# Altium PCB foxbms2-master.PcbDoc (part 3 of 11) (continued)
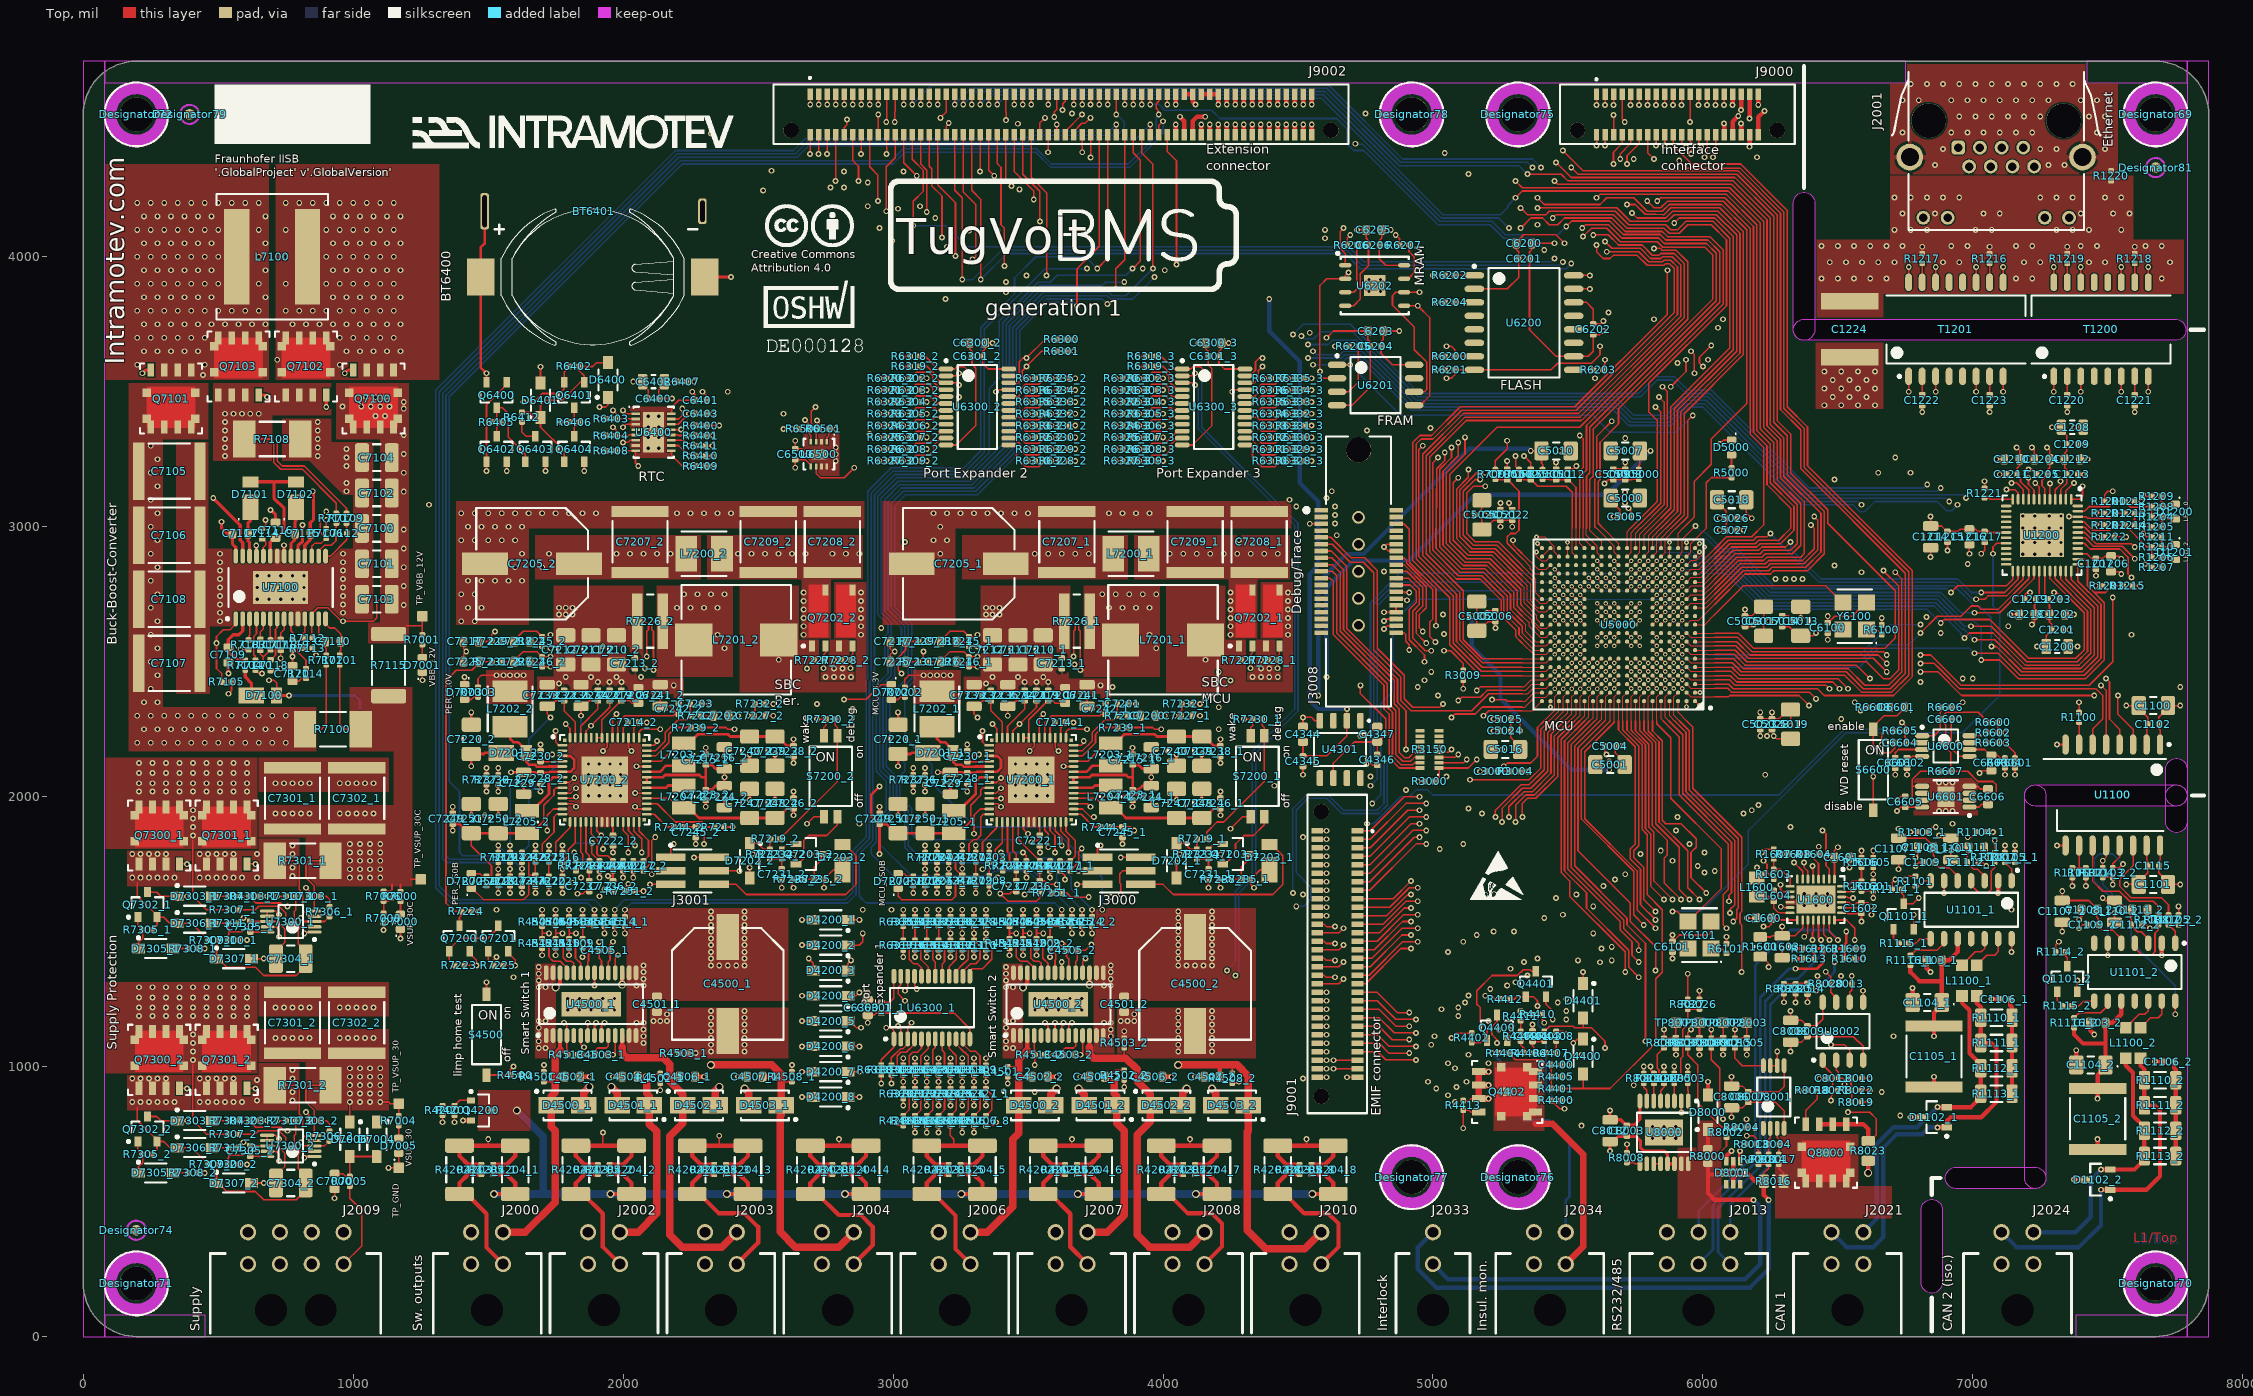
[diagram p0: Top view]
## Footprints (in the part's own frame and the unit in brackets; to place one, negate y for a bottom-side part, rotate by r counter-clockwise, add the part's x,y. Pads: shape width x height; smd on the part's side, far side on the other; paste and mask are expansions set on the pad) (continued)
  rect 2x3.8 smd paste-1: 17(0,0)
  silkscreen extent -2.35,-2.4 1.9,2.45, body extent -1.8,-2.25 1.8,2.25, height 1.5
ONSEMI_SC-88_SOT-363 [mm] "SOT23, 6-Leads, Body 2,00x2,10mm, Pitch 0,65mm, IPC Medium Density"
  rect 0.8x0.4 smd: 1(-1.075,0.65) 2(-1.075,0) 3(-1.075,-0.65) 4(1.075,-0.65) 5(1.075,0) 6(1.075,0.65)
  silkscreen extent -1.2,-1.1 0.3,1.53, body extent -1.1,-1.1 1.1,1.1, height 1.1
PA4342.XXXNLT_Footprint_2 [mm] "Precision Wire Wound Inductor, 2-Leads, Body 10,15x10,15mm, IPC Medium Density"
  rect 3.5x3.1 smd: 1(-4,0) 2(4,0)
  silkscreen extent -5.15,-5.15 5.15,5.15, body extent -5.18,-5.07 5.18,5.07, height 4.1
PANASONIC_ERJ-B1 [mm] "Chip Resistor, 2-Leads, Body 2,50x5,00mm, IPC Medium Density"
  rect 1x5.2 smd: 1(-1.2,0) 2(1.2,0)
  silkscreen extent -0.3,-2.5 0.3,2.5, body extent -1.35,-2.6 1.35,2.6, height 0.75
PANASONIC_ERJMS4H [mm] "Chip Resistor, 2-Leads, Body 6,40x3,20mm, IPC Medium Density"
  rect 2.1x3.45 smd: 1(-2.625,0) 2(2.625,0)
  silkscreen extent -1.2,-1.63 1.2,1.63, body extent -3.32,-1.73 3.32,1.73, height 1.35
PANASONIC_EXB2HV [mm] "Chip Array, ConvexE, 16-Leads, Pitch 0,50mm,  Body 3,80x1,60mm,  IPC Medium Density"
  rect 0.85x0.35 smd: 1(-0.9,1.75) 2(-0.9,1.25) 3(-0.9,0.75) 4(-0.9,0.25) 5(-0.9,-0.25) 6(-0.9,-0.75) 7(-0.9,-1.25) 8(-0.9,-1.75) 9(0.9,-1.75) 10(0.9,-1.25) 11(0.9,-0.75) 12(0.9,-0.25) 13(0.9,0.25) 14(0.9,0.75) 15(0.9,1.25) 16(0.9,1.75)
  silkscreen extent -0.84,2.33 -0.74,2.43, body extent -0.9,-1.95 0.9,1.95, height 0.55
PCA9539PW [mm] "TSOP, 24-Leads, Body 7,80x4,40mm, Pitch 0,65mm, IPC Medium Density"
  oval 1.4x0.45 smd: 1(-2.95,3.575) 2(-2.95,2.925) 3(-2.95,2.275) 4(-2.95,1.625) 5(-2.95,0.975) 6(-2.95,0.325) 7(-2.95,-0.325) 8(-2.95,-0.975) 9(-2.95,-1.625) 10(-2.95,-2.275) 11(-2.95,-2.925) 12(-2.95,-3.575) 13(2.95,-3.575) 14(2.95,-2.925) 15(2.95,-2.275) 16(2.95,-1.625) 17(2.95,-0.975) 18(2.95,-0.325) 19(2.95,0.325) 20(2.95,0.975) 21(2.95,1.625) 22(2.95,2.275) 23(2.95,2.925) 24(2.95,3.575)
  silkscreen extent -3.07,-3.95 1.85,4.47, body extent -3.2,-3.95 3.2,3.95, height 1.1
PowerDI123 [mm] "PowerDI123, 2-Leads, Body 1,78x3,70mm, IPC Medium Density"
  rect 2.4x1.5 smd: 1(-0.85,0)
  rect 1.05x1.5 smd: 2(1.525,0)
  silkscreen extent -2.05,1.05 -1.95,1.15, body extent -1.85,-0.96 1.85,0.96, height 1
RESC1005X04N [mm] "Chip Resistor, 2-Leads, Body 1,00x0,50mm, IPC Medium Density"
  rrect50% 0.55x0.55 smd: 1(-0.45,0) 2(0.45,0)
  body extent -0.53,-0.27 0.52,0.28, height 0.4
RESC1608X05N [mm] "Chip Resistor, 2-Leads, Body 1,60x0,80mm, IPC Medium Density"
  rrect50% 0.7x0.9 smd: 1(-0.7,0) 2(0.7,0)
  body extent -0.85,-0.45 0.85,0.45, height 0.45
RESC2012X05N [mm] "Chip Resistor, 2-Leads, Body 2,00x1,20mm, IPC Medium Density"
  rrect40% 0.95x1.3 smd: 1(-0.925,0) 2(0.925,0)
  silkscreen extent -0.05,-0.55 0.05,0.55, body extent -1.05,-0.65 1.05,0.65, height 0.5
RESC3216X06N [mm] "Chip Resistor, 2-Leads, Body 3,20x1,60mm, IPC Medium Density"
  rrect30% 1.05x1.75 smd: 1(-1.475,0) 2(1.475,0)
  silkscreen extent -0.55,-0.77 0.55,0.77, body extent -1.65,-0.87 1.65,0.87, height 0.6
RESC5025X07N [mm] "Chip Resistor, 2-Leads, Body 5,00x2,50mm, IPC Medium Density"
  rrect30% 1.35x2.7 smd: 1(-2.275,0) 2(2.275,0)
  silkscreen extent -1.2,-1.25 1.2,1.25, body extent -2.6,-1.35 2.6,1.35, height 0.7
RESC6331X07N [mm] "Chip Resistor, 2-Leads, Body 6,30x3,10mm, IPC Medium Density"
  rrect30% 1.35x3.3 smd: 1(-2.925,0) 2(2.925,0)
  silkscreen extent -1.85,-1.55 1.85,1.55, body extent -3.25,-1.65 3.25,1.65, height 0.7
S25FL512S-SO3016 [mm] "SOIC, 16-Leads, Body 10,30x7,50mm, Pitch 1,27mm, IPC Medium Density"
  oval 1.85x0.6 smd: 1(-4.675,4.445) 2(-4.675,3.175) 3(-4.675,1.905) 4(-4.675,0.635) 5(-4.675,-0.635) 6(-4.675,-1.905) 7(-4.675,-3.175) 8(-4.675,-4.445) 9(4.675,-4.445) 10(4.675,-3.175) 11(4.675,-1.905) 12(4.675,-0.635) 13(4.675,0.635) 14(4.675,1.905) 15(4.675,3.175) 16(4.675,4.445)
  silkscreen extent -4.8,-5.15 3.35,5.42, body extent -5.15,-5.15 5.15,5.15, height 2.65
SAMTEC_ERM8-020-09.0-L-DV-K [mm] "0.80 Samtec 0.8mm Edge Rate Robust Highspeed-Terminal"
  rect 0.5x1.1 smd: 1(-7.6,1.9) 2(-7.6,-1.9) 3(-6.8,1.9) 4(-6.8,-1.9) 5(-6,1.9) 6(-6,-1.9) 7(-5.2,1.9) 8(-5.2,-1.9) 9(-4.4,1.9) 10(-4.4,-1.9) 11(-3.6,1.9) 12(-3.6,-1.9) 13(-2.8,1.9) 14(-2.8,-1.9) 15(-2,1.9) 16(-2,-1.9) 17(-1.2,1.9) 18(-1.2,-1.9) 19(-0.4,1.9) 20(-0.4,-1.9) 21(0.4,1.9) 22(0.4,-1.9) 23(1.2,1.9) 24(1.2,-1.9) 25(2,1.9) 26(2,-1.9) 27(2.8,1.9) 28(2.8,-1.9) 29(3.6,1.9) 30(3.6,-1.9) 31(4.4,1.9) 32(4.4,-1.9) 33(5.2,1.9) 34(5.2,-1.9) 35(6,1.9) 36(6,-1.9) 37(6.8,1.9) 38(6.8,-1.9) 39(7.6,1.9) 40(7.6,-1.9)
  round 1.45 hole 1.45 unplated: ""(-9.4,-1.5) ""(9.4,-1.5)
  silkscreen extent -11.05,-2.8 11.05,3.4, body extent -11,-2.8 11,2.8, height 12.9
SAMTEC_ERM8-030-09.0-L-DV-K [mm] "Samtec 0.8mm Edge Rate Robust Highspeed-Terminal"
  rect 0.5x1.1 smd: 1(-11.6,1.9) 2(-11.6,-1.9) 3(-10.8,1.9) 4(-10.8,-1.9) 5(-10,1.9) 6(-10,-1.9) 7(-9.2,1.9) 8(-9.2,-1.9) 9(-8.4,1.9) 10(-8.4,-1.9) 11(-7.6,1.9) 12(-7.6,-1.9) 13(-6.8,1.9) 14(-6.8,-1.9) 15(-6,1.9) 16(-6,-1.9) 17(-5.2,1.9) 18(-5.2,-1.9) 19(-4.4,1.9) 20(-4.4,-1.9) 21(-3.6,1.9) 22(-3.6,-1.9) 23(-2.8,1.9) 24(-2.8,-1.9) 25(-2,1.9) 26(-2,-1.9) 27(-1.2,1.9) 28(-1.2,-1.9) 29(-0.4,1.9) 30(-0.4,-1.9) 31(0.4,1.9) 32(0.4,-1.9) 33(1.2,1.9) 34(1.2,-1.9) 35(2,1.9) 36(2,-1.9) 37(2.8,1.9) 38(2.8,-1.9) 39(3.6,1.9) 40(3.6,-1.9) 41(4.4,1.9) 42(4.4,-1.9) 43(5.2,1.9) 44(5.2,-1.9) 45(6,1.9) 46(6,-1.9) 47(6.8,1.9) 48(6.8,-1.9) 49(7.6,1.9) 50(7.6,-1.9) 51(8.4,1.9) 52(8.4,-1.9) 53(9.2,1.9) 54(9.2,-1.9) 55(10,1.9) 56(10,-1.9) 57(10.8,1.9) 58(10.8,-1.9) 59(11.6,1.9) 60(11.6,-1.9)
  round 1.45 hole 1.45 unplated: ""(-13.4,-1.5) ""(13.4,-1.5)
  silkscreen extent -14.99,-2.8 14.99,3.4, body extent -15,-2.8 15,2.8, height 12.9
SAMTEC_ERM8-060-09.0-L-DV-K [mm] "Samtec 0.8mm Edge Rate Robust Highspeed-Terminal"
  rect 0.5x1.1 smd: 1(-23.6,1.9) 2(-23.6,-1.9) 3(-22.8,1.9) 4(-22.8,-1.9) 5(-22,1.9) 6(-22,-1.9) 7(-21.2,1.9) 8(-21.2,-1.9) 9(-20.4,1.9) 10(-20.4,-1.9) 11(-19.6,1.9) 12(-19.6,-1.9) 13(-18.8,1.9) 14(-18.8,-1.9) 15(-18,1.9) 16(-18,-1.9) 17(-17.2,1.9) 18(-17.2,-1.9) 19(-16.4,1.9) 20(-16.4,-1.9) 21(-15.6,1.9) 22(-15.6,-1.9) 23(-14.8,1.9) 24(-14.8,-1.9) 25(-14,1.9) 26(-14,-1.9) 27(-13.2,1.9) 28(-13.2,-1.9) 29(-12.4,1.9) 30(-12.4,-1.9) 31(-11.6,1.9) 32(-11.6,-1.9) 33(-10.8,1.9) 34(-10.8,-1.9) 35(-10,1.9) 36(-10,-1.9) 37(-9.2,1.9) 38(-9.2,-1.9) 39(-8.4,1.9) 40(-8.4,-1.9) 41(-7.6,1.9) 42(-7.6,-1.9) 43(-6.8,1.9) 44(-6.8,-1.9) 45(-6,1.9) 46(-6,-1.9) 47(-5.2,1.9) 48(-5.2,-1.9) 49(-4.4,1.9) 50(-4.4,-1.9) 51(-3.6,1.9) 52(-3.6,-1.9) 53(-2.8,1.9) 54(-2.8,-1.9) 55(-2,1.9) 56(-2,-1.9) 57(-1.2,1.9) 58(-1.2,-1.9) 59(-0.4,1.9) 60(-0.4,-1.9) 61(0.4,1.9) 62(0.4,-1.9) 63(1.2,1.9) 64(1.2,-1.9) 65(2,1.9) 66(2,-1.9) 67(2.8,1.9) 68(2.8,-1.9) 69(3.6,1.9) 70(3.6,-1.9) 71(4.4,1.9) 72(4.4,-1.9) 73(5.2,1.9) 74(5.2,-1.9) 75(6,1.9) 76(6,-1.9) 77(6.8,1.9) 78(6.8,-1.9) 79(7.6,1.9) 80(7.6,-1.9) 81(8.4,1.9) 82(8.4,-1.9) 83(9.2,1.9) 84(9.2,-1.9) 85(10,1.9) 86(10,-1.9) 87(10.8,1.9) 88(10.8,-1.9) 89(11.6,1.9) 90(11.6,-1.9) 91(12.4,1.9) 92(12.4,-1.9) 93(13.2,1.9) 94(13.2,-1.9) 95(14,1.9) 96(14,-1.9) 97(14.8,1.9) 98(14.8,-1.9) 99(15.6,1.9) 100(15.6,-1.9) 101(16.4,1.9) 102(16.4,-1.9) 103(17.2,1.9) 104(17.2,-1.9) 105(18,1.9) 106(18,-1.9) 107(18.8,1.9) 108(18.8,-1.9) 109(19.6,1.9) 110(19.6,-1.9) 111(20.4,1.9) 112(20.4,-1.9) 113(21.2,1.9) 114(21.2,-1.9) 115(22,1.9) 116(22,-1.9) 117(22.8,1.9) 118(22.8,-1.9) 119(23.6,1.9) 120(23.6,-1.9)
  round 1.45 hole 1.45 unplated: ""(-25.4,-1.5) ""(25.4,-1.5)
  silkscreen extent -27.05,-2.8 27.05,3.53, body extent -27,-2.8 27,2.8, height 12.9
SAMTEC_FTSH-103-01-L-DV [mm] "Samtec FTSH Board-To-Board Connector, 6pin, 1.27mm"
  rect 2.8x0.7 smd: 1(-2.035,1.27) 2(2.035,1.27) 3(-2.035,0) 4(2.035,0) 5(-2.035,-1.27) 6(2.035,-1.27)
  silkscreen extent -2.16,-2.03 1.78,2.54, body extent -2.92,-1.9 2.92,1.91, height 5.98
SHT3X [mm] "SON, 8-Leads, Body 2,50x2,50mm, Pitch 0,50mm, Thermal Pad 1,80x1,09mm, IPC Medium Density"
  rect 0.55x0.25 smd: 1(-1.17,0.75) 2(-1.17,0.25) 3(-1.17,-0.25) 4(-1.17,-0.75) 5(1.17,-0.75) 6(1.17,-0.25) 7(1.17,0.25) 8(1.17,0.75)
  oct 1x1.7 smd: 9(0,0)
  Top region: 0,-0.85 0.5,-0.85 0.5,0.85 0,0.85
  Top region: -0.5,-0.85 0,-0.85 0,0 -0.5,0
  silkscreen extent -1.9,-1.45 1.45,1.5, body extent -1.25,-1.25 1.25,1.25, height 0.9
SiT8924xx-3x [mm] "DFN, 4-Leads, Body 3,20x5,00mm, Pitch 2,39mm, IPC Medium Density"
  rect 1.5x1.6 smd: 1(-1.27,-1.1) 2(1.27,-1.1) 3(1.27,1.1) 4(-1.27,1.1)
  silkscreen extent -2.57,-2.07 2.53,1.63, body extent -2.52,-1.63 2.53,1.63, height 0.75
SM91074ALE [mm] "SOIC, 16-Leads, Body 12,80x6,90mm, Pitch 1,27mm, IPC Medium Density"
  oval 1.65x0.65 smd: 1(-4.425,4.445) 2(-4.425,3.175) 3(-4.425,1.905) 4(-4.425,0.635) 5(-4.425,-0.635) 6(-4.425,-1.905) 7(-4.425,-3.175) 8(-4.425,-4.445) 9(4.425,-4.445) 10(4.425,-3.175) 11(4.425,-1.905) 12(4.425,-0.635) 13(4.425,0.635) 14(4.425,1.905) 15(4.425,3.175) 16(4.425,4.445)
  silkscreen extent -4.55,-6.55 3.2,6.55, body extent -4.75,-6.55 4.75,6.55, height 5.9
SMTU_1225-1-LF [mil] "Renata SMTU 1225-1-LF"
  rect 102.36x137.8 smd: +(-415.35,0) -(415.35,0)
  silkscreen extent -362,-252 386,252, body extent -453,-252 453,252, height 189
SOD-123_CASE-425-04-ISSUE-G [mm] "SOD-123 CASE 425-04 ISSUE G"
  rect 1.22x0.91 smd: 1(-1.635,0) 2(1.635,0)
  silkscreen extent -1.76,-0.9 1,1.13, body extent -1.86,-0.9 1.86,0.9, height 1.35
SOIC127P600X175-8N [mm] "SOIC, 8-Leads, Body 4,90x3,90mm, Pitch 1,27mm, IPC Medium Density"
  rrect50% 1.5x0.6 smd: 1(-2.7,1.905) 2(-2.7,0.635) 3(-2.7,-0.635) 4(-2.7,-1.905) 5(2.7,-1.905) 6(2.7,-0.635) 7(2.7,0.635) 8(2.7,1.905)
  silkscreen extent -2.8,-2.45 1.55,2.8, body extent -3,-2.45 3,2.45, height 1.75
SOT95P237X110-3N [mm] "SOT23, 3-Leads, Body 2,92x2,37mm, Pitch 0,95mm, IPC Medium Density"
  rect 1x0.6 smd: D(1.2,0) G(-1.2,0.95) S(-1.2,-0.95)
  silkscreen extent -0.3,-1.5 0.7,1.5, body extent -1.32,-1.52 1.32,1.52, height 1.1
SOT95P237X112-3N [mm] "SOT23, 3-Leads, Body 2,92x2,37mm, Pitch 0,95mm, IPC Medium Density"
  rect 0.724x0.559 smd: D(0.984,0) G(-0.984,0.95) S(-0.984,-0.95)
  silkscreen extent -1.11,-1.5 0.7,1.9, body extent -1.32,-1.52 1.32,1.52, height 1.12
ST_PowerFLAT_5x6_WF_type_C#1 [mm] "SOTFL, 6-Leads, Body 5,20x6,40mm, Pitch 1,27mm, IPC Medium Density"
  rect 0.8x0.8 smd: D(-2.3,1.89) D(-2.3,-0.56) D(0,0) D(2.3,1.89) D(2.3,-0.56)
  rect 0.65x1.25 smd: D(-1.905,2.675) D(-0.635,2.675) D(0.635,2.675) D(1.905,2.675) G(1.905,-2.675) S(-1.905,-2.675) S(-0.635,-2.675) S(0.635,-2.675)
  Top region: -2.3,-1.15 2.3,-1.15 2.3,2.75 -2.3,2.75
  silkscreen extent -2.92,-3.3 2.92,3.3, body extent -2.7,-3.2 2.7,3.2, height 1
ST_PowerFLAT_5x6_WF_type_C#2 [mm] "SOTFL, 6-Leads, Body 5,20x6,40mm, Pitch 1,27mm, IPC Medium Density"
  rect 0.8x0.8 smd: D(-2.3,1.89) D(-2.3,-0.56) D(2.3,1.89) D(2.3,-0.56)
  rect 0.65x1.25 smd: D(-1.905,2.675) D(-0.635,2.675) D(0.635,2.675) D(1.905,2.675) G(1.905,-2.675) S(-1.905,-2.675) S(-0.635,-2.675) S(0.635,-2.675)
  Top region: -2.3,-1.15 2.3,-1.15 2.3,2.75 -2.3,2.75
  silkscreen extent -2.92,-3.3 2.92,3.3, body extent -2.7,-3.2 2.7,3.2, height 1
TDK_TFM252012 [mm] "Chip Inductor, 2-Leads, Body 2,50x2,00mm, IPC Medium Density"
  rect 1.29x2.22 smd: 1(-1.055,0) 2(1.055,0)
  silkscreen extent -0.05,-1.01 0.05,1.01, body extent -1.35,-1.1 1.35,1.1, height 1.2
TE_2-5767004-2 [mm] "Board to Board & Mezzanine Connectors 38P RECEPTACLE"
  rrect10% 0.43x1.27 smd: 1(5.76,3.53) 2(5.76,-3.53) 3(5.12,3.53) 4(5.12,-3.53) 5(4.48,3.53) 6(4.48,-3.53) 7(3.84,3.53) 8(3.84,-3.53) 9(3.2,3.53) 10(3.2,-3.53) 11(2.56,3.53) 12(2.56,-3.53) 13(1.92,3.53) 14(1.92,-3.53) 15(1.28,3.53) 16(1.28,-3.53) 17(0.64,3.53) 18(0.64,-3.53) 19(0,3.53) 20(0,-3.53) 21(-0.64,3.53) 22(-0.64,-3.53) 23(-1.28,3.53) 24(-1.28,-3.53) 25(-1.92,3.53) 26(-1.92,-3.53) 27(-2.56,3.53) 28(-2.56,-3.53) 29(-3.2,3.53) 30(-3.2,-3.53) 31(-3.84,3.53) 32(-3.84,-3.53) 33(-4.48,3.53) 34(-4.48,-3.53) 35(-5.12,3.53) 36(-5.12,-3.53) 37(-5.76,3.53) 38(-5.76,-3.53)
  round 1.2 hole 0.81: G(-5.08,0) G(-2.54,0) G(0,0) G(2.54,0) G(5.08,0)
  round 2.39 hole 2.39 unplated: Orientation(11.43,0)
  silkscreen extent -12.7,-3.05 12.7,5.1, body extent -12.7,-4.36 12.7,4.36, height 6.1
Testpoint_S1 [mm] "Testpunkt, quardratisch 1mm"
  rrect20% 1x1 smd paste-0.5: 1(0,0)
TI_D0008A [mm] "SOIC, 8-Leads, Body 4,91x3,90mm, Pitch 1,27mm, IPC Medium Density"
  oval 1.45x0.6 smd: 1(-2.725,1.905) 2(-2.725,0.635) 3(-2.725,-0.635) 4(-2.725,-1.905) 5(2.725,-1.905) 6(2.725,-0.635) 7(2.725,0.635) 8(2.725,1.905)
  silkscreen extent -2.85,-2.5 1.6,2.88, body extent -3,-2.5 3,2.5, height 1.75
TI_D0014A-C01_SOIC-14 [mm] "SOIC, 14-Leads, Body 8,65x3,90mm, Pitch 1,27mm, IPC Medium Density"
  oval 1.45x0.6 smd: 1(-2.725,3.81) 2(-2.725,2.54) 3(-2.725,1.27) 4(-2.725,0) 5(-2.725,-1.27) 6(-2.725,-2.54) 7(-2.725,-3.81) 8(2.725,-3.81) 9(2.725,-2.54) 10(2.725,-1.27) 11(2.725,0) 12(2.725,1.27) 13(2.725,2.54) 14(2.725,3.81)
  silkscreen extent -3.83,-4.4 1.6,4.49, body extent -3,-4.4 3,4.4, height 1.75
TI_DWE0016A [mm] "SOIC, 16-Leads, Body 10,30x7,50mm, Pitch 1,27mm, IPC Medium Density"
  oval 1.9x0.6 smd: 1(-4.75,4.445) 2(-4.75,3.175) 3(-4.75,1.905) 4(-4.75,0.635) 5(-4.75,-0.635) 6(-4.75,-1.905) 7(-4.75,-3.175) 8(-4.75,-4.445) 9(4.75,-4.445) 10(4.75,-3.175) 11(4.75,-1.905) 12(4.75,-0.635) 13(4.75,0.635) 14(4.75,1.905) 15(4.75,3.175) 16(4.75,4.445)
  silkscreen extent -4.87,-5.25 3.4,5.42, body extent -5.15,-5.25 5.15,5.25, height 2.65
TI_PW0008A [mm] "TSOP, 8-Leads, Body 3,00x4,40mm, Pitch 0,65mm, IPC Medium Density"
  oval 1.4x0.45 smd: 1(-2.95,0.975) 2(-2.95,0.325) 3(-2.95,-0.325) 4(-2.95,-0.975) 5(2.95,-0.975) 6(2.95,-0.325) 7(2.95,0.325) 8(2.95,0.975)
  silkscreen extent -3.07,-1.55 1.85,1.87, body extent -3.2,-1.55 3.2,1.55, height 1.2
TI_PWP0016J [mm] "TSOP, 16-Leads, Body 5,00x4,40mm, Pitch 0,65mm, Thermal Pad 3,55x2,46mm, IPC Medium Density"
  oval 1.4x0.45 smd: 1(-2.95,2.275) 2(-2.95,1.625) 3(-2.95,0.975) 4(-2.95,0.325) 5(-2.95,-0.325) 6(-2.95,-0.975) 7(-2.95,-1.625) 8(-2.95,-2.275) 9(2.95,-2.275) 10(2.95,-1.625) 11(2.95,-0.975) 12(2.95,-0.325) 13(2.95,0.325) 14(2.95,0.975) 15(2.95,1.625) 16(2.95,2.275)
  rect 2.46x3.55 smd: 17(0,0)
  silkscreen extent -3.07,-2.55 1.85,3.17, body extent -3.2,-2.55 3.2,2.55, height 1.2
TPS7A16A-Q1 [mm] "TSOP, 8-Leads, Body 3,00x3,00mm, Pitch 0,65mm, Thermal Pad 1,92x1,60mm, IPC Medium Density"
  oval 1.35x0.5 smd: 1(-2.225,0.975) 2(-2.225,0.325) 3(-2.225,-0.325) 4(-2.225,-0.975) 5(2.225,-0.975) 6(2.225,-0.325) 7(2.225,0.325) 8(2.225,0.975)
  rect 1.6x1.92 smd: 9(0,0)
  silkscreen extent -2.35,-1.55 1.15,1.9, body extent -2.45,-1.55 2.45,1.55, height 1.1
WE_416131160801 [mm] "SMD Dip Switch, Small Compact, Raised Actuator, 1pin"
  rect 0.76x1.27 smd: 1(0,-3.81) 2(0,3.81)
  silkscreen extent -1.37,-2.79 1.37,2.79, body extent -1.22,-4.32 1.22,4.32, height 2.65
WE_416131160802 [mm] "SMD Dip Switch, Small Compact, Raised Actuator, 2pin"
  rect 0.76x1.27 smd: 1(-0.635,-3.81) 2(0.635,-3.81) 3(0.635,3.81) 4(-0.635,3.81)
  silkscreen extent -2,-2.79 2,2.79, body extent -1.85,-4.22 1.86,4.22, height 2.7
WE_615008137421 [mm] "WR-MJ Modular Jack Tab Up"
  rrect50% 1.3x1.3 hole 0.8: 1(3.57,0.125)
  round 1.3 hole 0.8: 2(2.55,1.905) 3(1.53,0.125) 4(0.51,1.905) 5(-0.51,0.125) 6(-1.53,1.905) 7(-2.55,0.125) 8(-3.57,1.905) 9(6.86,6.725) 10(4.57,6.725) 11(-4.57,6.725) 12(-6.86,6.725)
  round 3.25 hole 3.25 unplated: MH1(-6.35,-2.415) MH2(6.35,-2.415)
  round 2.5 hole 1.7: S1(-8.125,1.015) S2(8.125,1.015)
  silkscreen extent -9.79,-7 9.79,7.87, body extent -9.88,-8.33 9.88,8.12, height 15.13

## Part data
BT6400: "SMTU 1225-1-LF, Battery Holder 1225", Manufacturer=Renata, Operating Temperature="- / -40°C - +100°C", Supplier Part Number 1=1216353, Automotive Qualified=False, ComponentLink1Description=Datasheet, ComponentLink1URL=http://www.farnell.com/datasheets/1766152.pdf, Part Name=SMTU_1225-1-LF, Part Number=SMTU_1225-1-LF, Supplier 1=Farnell
BT6401: "Coin Cell Battery 3V 1000mAH HI TEMP", Manufacturer=Panasonic, Operating Temperature="−40°C - +125°C", Supplier Part Number 1=P029-ND, Automotive Qualified=False, ComponentLink1Description=Datasheet, ComponentLink1URL=https://www.mouser.de/datasheet/2/315/panasonic-lithium-coin-hightemp-br2477a-datasheet-911159.pdf, Part Name=BR2477A/HBN, Part Number=BR2477A/HBN, Supplier 1=Digikey, Supplier 2=Mouser, Supplier Part Number 2=658-BR-2477A-HBN
C1100 C1101 C5000 C5001 C5002 C5007 C5010 C5013 C5016 C5017 C5018 C5019 C5020 C7210_1 C7210_2 C7211_1 C7211_2 C7212_1 C7212_2 C7220_1 C7220_2 C7239_1 C7239_2 C7240_1 C7240_2 C7247_1 C7247_2 C7248_1 C7248_2 C7250_1 C7250_2 C7251_1 C7251_2: library part gen_C_ceramic_22u_10V_X7R_1206, "MLCC", Capacitance=22u, Case EIA=1206, Case Metric=3216, Dielectric=X7R, Rated Voltage=10V, Supplier Part Number 1=587-4243-1-ND, Automotive Qualified=True, Part Number=gen_C_ceramic_22u_10V_X7R_1206, Supplier 1=Digikey
C1102 C1109_1 C1109_2 C1112_1 C1112_2 C1115 C1203 C1205 C1207 C1211 C1213 C1217 C1219 C1220 C1221 C1222 C1223 C1602 C3000 C4345 C4346 C4503_1 C4503_2 C4505_1 C4505_2 C5003 C5004 C5005 C5006 C5008 C5011 C5014 C5015 C5021 C5022 C5023 C5024 C5025 C5026 C5027 C5028 C6100 C6101 C6201 C6202 C6204 C6206 C6301_1 C6301_2 C6301_3 C6400 C6401 C6403 C6500 C6600 C6605 C7113 C7114 C7213_1 C7213_2 C7215_1 C7215_2 C7221_1 C7221_2 C7222_1 C7222_2 C7223_1 C7223_2 C7227_1 C7227_2 C7228_1 C7228_2 C7230_1 C7230_2 C7231_1 C7231_2 C7232_1 C7232_2 C7234_1 C7234_2 C7238_1 C7238_2 C7242_1 C7242_2 C7246_1 C7246_2 C7249_1 C7249_2 C7300_1 C7300_2 C8003 C8007 C8009: library part gen_C_ceramic_100n_50V_X7R_0402, "MLCC", Capacitance=100n, Case EIA=0402, Case Metric=1005, Dielectric=X7R, PnP Package=0402C, PnP Value=100nF/50V/X7R, Rated Voltage=50V, Supplier Part Number 1=2803331, AEC-Q Norm=AEC-Q200, Automotive Qualified=True, ECCN=EAR99, Part Number=gen_C_ceramic_100n_50V_X7R_0402, PnP equipped=x, Supplier 1=Farnell
C1103_1 C1103_2 C4501_1 C4501_2 C7000 C7109 C7111 C7115 C7206_1 C7206_2 C7218_1 C7218_2 C7226_1 C7226_2: library part gen_C_ceramic_100n_100V_X7R_0603, "MLCC", Capacitance=100n, Case EIA=0603, Case Metric=1608, Dielectric=X7R, PnP Package=0603C, Rated Voltage=100V, Supplier Part Number 1=490-13420-1-ND, Automotive Qualified=True, Part Number=gen_C_ceramic_100n_100V_X7R_0603, Supplier 1=Digikey, Supplier 2=Mouser, Supplier Part Number 2=81-GCJ188R72A104KA1D
C1104_1 C1104_2: library part gen_C_ceramic_1u_100V_X7R_1206, "MLCC", Capacitance=1u, Case EIA=1206, Case Metric=3216, Dielectric=X7R, Rated Voltage=100V, Supplier Part Number 1=1833855, Automotive Qualified=True, AVT Set=x, Part Number=gen_C_ceramic_1u_100V_X7R_1206, Supplier 1=Farnell
C1105_1 C1105_2 C7105 C7106 C7107 C7108 C7207_1 C7207_2 C7208_1 C7208_2 C7209_1 C7209_2 C7301_1 C7301_2 C7302_1 C7302_2: library part gen_C_ceramic_10u_100V_X7S_2220, "MLCC", Capacitance=10u, Case EIA=2220, Case Metric=5750, Dielectric=X7S, Rated Voltage=100V, Supplier Part Number 1=445-13152-1-ND, AEC-Q Grade="Grade 0", AEC-Q Norm=AEC-Q200, Automotive Qualified=True, ECCN=EAR99, Part Number=gen_C_ceramic_10u_100V_X7S_2220, Supplier 1=Digikey
C1106_1 C1106_2: library part gen_C_ceramic_4n7_50V_X7R_0402, "MLCC", Capacitance=4n7, Case EIA=0402, Case Metric=1005, Dielectric=X7R, PnP Package=0402C, Rated Voltage=50V, Supplier Part Number 1=490-14739-1-ND, AEC-Q Grade="Grade 1", AEC-Q Norm=AEC-Q200, Automotive Qualified=True, ECCN=EAR99, Part Number=gen_C_ceramic_4n7_50V_X7R_0402, Supplier 1=Digikey
C1107_1 C1107_2 C1110_1 C1110_2 C1200 C1208 C1214 C6402 C7216_1 C7216_2 C7224_1 C7224_2 C7229_1 C7229_2 C7233_1 C7233_2 C7235_1 C7235_2 C7241_1 C7241_2 C8006 C8008 C8012: library part gen_C_ceramic_10u_16V_X7R_0805, "MLCC", Capacitance=10u, Case EIA=0805, Case Metric=2012, Dielectric=X7S, Rated Voltage=16V, Supplier Part Number 1=445-16110-1-ND, AEC-Q Grade="Grade 1", AEC-Q Norm=AEC-Q200, Automotive Qualified=True, ECCN=EAR99, Part Number=gen_C_ceramic_10u_16V_X7R_0805, Supplier 1=Digikey
C1108_1 C1108_2 C1111_1 C1111_2 C1202 C1204 C1206 C1210 C1212 C1216 C1218 C1600 C1601 C4344 C4347 C6200 C6203 C6205 C6300_1 C6300_2 C6300_3 C6606 C7110 C7116: library part gen_C_ceramic_1u_50V_X7R_0603, "MLCC", Capacitance=1u, Case EIA=0603, Case Metric=1608, Dielectric=X7R, Operating Temperature="-55°C - +125°C", PnP Package=0603C, Rated Voltage=50V, Supplier Part Number 1=2779055, Tolerance="± 10%", Automotive Qualified=False, Part Number=gen_C_ceramic_1u_50V_X7R_0603, Supplier 1=Farnell
C1201 C1209 C1215 C5009 C5012 C7001 C7244_1 C7244_2 C7245_1 C7245_2: library part gen_C_ceramic_10n_25V_X7R_0402, "MLCC", Capacitance=10n, Case EIA=0402, Case Metric=1005, Dielectric=X7R, PnP Package=0402C, PnP Value=10nF/25V/X7R, Rated Voltage=25V, Supplier Part Number 1=2210793, Automotive Qualified=True, Part Number=gen_C_ceramic_10n_25V_X7R_0402, PnP equipped=x, Supplier 1=Farnell
C1224: library part gen_C_ceramic_1n_3000V_X7R_2220, "MLCC", Capacitance=1n, Case EIA=2220, Case Metric=5750, Dielectric=X7R, Rated Voltage=3000V, Supplier Part Number 1=399-16803-1-ND, AEC-Q Grade="Grade 0", AEC-Q Norm=AEC-Q200, Automotive Qualified=True, ECCN=EAR99, Part Number=gen_C_ceramic_1n_3000V_X7R_2220, Supplier 1=Digikey
C1603: library part gen_C_ceramic_4u7_25V_X7R_0805, "MLCC", Capacitance=4u7, Case EIA=0805, Case Metric=2012, Dielectric=X7R, Rated Voltage=25V, Supplier Part Number 1=2346968, AEC-Q Norm=AEC-Q200, Automotive Qualified=True, AVT Set=x, ECCN=EAR99, Part Number=gen_C_ceramic_4u7_25V_X7R_0805, Supplier 1=Farnell
C1604 C7305_1 C7305_2: library part gen_C_ceramic_220n_35V_X7R_0402, "MLCC", Capacitance=220n, Case EIA=0402, Case Metric=1005, Dielectric=X7R, PnP Package=0402C, Rated Voltage=35V, Supplier Part Number 1=445-173767-1-ND, AEC-Q Grade="Grade 1", AEC-Q Norm=AEC-Q200, Automotive Qualified=True, ECCN=EAR99, Part Number=gen_C_ceramic_220n_35V_X7R_0402, Supplier 1=Digikey
C4400 C4401 C7118 C7119 C7201: library part gen_C_ceramic_150p_50V_C0G_0402, "MLCC", Capacitance=150p, Case EIA=0402, Case Metric=1005, Dielectric=C0G, PnP Package=0402C, Rated Voltage=50V, Supplier Part Number 1=490-4926-1-ND, Automotive Qualified=True, Part Number=gen_C_ceramic_150p_50V_C0G_0402, Supplier 1=Digikey
C4500_1 C4500_2: library part EEE-TG1J101UP, "SMD Electrolytic Capacitor", Capacitance=100µF, Operating Temperature="-40°C to 125°C", Rated Voltage=63V, Supplier Part Number 1=PCE4086CT-ND, Tolerance=+-20%, Automotive Qualified=True, ComponentLink1Description=Datasheet, ComponentLink1URL=https://industrial.panasonic.com/cdbs/www-data/pdf/RDE0000/ABA0000C1187.pdf, Diameter=10mm, Heigth=10.5mm, Part Number=EEE-TG1J101UP, Supplier 1=Digikey
C4502_1 C4502_2 C4504_1 C4504_2 C4506_1 C4506_2 C4507_1 C4507_2: library part gen_C_ceramic_10n_100V_X7R_0603, "MLCC", Capacitance=10n, Case EIA=0603, Case Metric=1608, Dielectric=X7R, PnP Package=0603C, PnP Value=10nF/100V/X7R, Rated Voltage=100V, Supplier Part Number 1=1301715, AEC-Q Norm=AEC-Q200, Automotive Qualified=True, ECCN=EAR99, Part Number=gen_C_ceramic_10n_100V_X7R_0603, Supplier 1=Farnell, Supplier 2=Farnell, Supplier 3=Farnell, Supplier Part Number 2=2821192, Supplier Part Number 3=2210878
C6601 C7117 C7214_1 C7214_2 C7243_1 C7243_2 C7303_1 C7303_2: library part gen_C_ceramic_47n_50V_X7R_0402, "MLCC", Capacitance=47n, Case EIA=0402, Case Metric=1005, Dielectric=X7R, PnP Package=0402C, Rated Voltage=50V, Supplier Part Number 1=2210827, Automotive Qualified=True, Part Number=gen_C_ceramic_47n_50V_X7R_0402, Supplier 1=Farnell
C6602 C6604 C8000 C8001 C8002 C8004 C8005 C8010 C8011 C8013 C8014: library part gen_C_ceramic_22n_50V_X7R_0402, "MLCC", Capacitance=22n, Case EIA=0402, Case Metric=1005, Dielectric=X7R, PnP Package=0402C, Rated Voltage=50V, Supplier Part Number 1=490-4763-1-ND, AEC-Q Grade="Grade 1", AEC-Q Norm=AEC-Q200, Automotive Qualified=True, ECCN=EAR99, Part Number=gen_C_ceramic_22n_50V_X7R_0402, Supplier 1=Digikey
C6603: library part gen_C_ceramic_27p_50V_NP0_0603, "MLCC", Capacitance=27p, Case EIA=0603, Case Metric=1608, Dielectric=NP0, PnP Package=0603C, Rated Voltage=50V, Supplier Part Number 1=2219430, Automotive Qualified=True, Part Number=gen_C_ceramic_27p_50V_NP0_0603, Supplier 1=Farnell
C7100 C7101 C7102 C7103 C7104: library part gen_C_ceramic_22u_25V_X7R_1210, "MLCC", Capacitance=22u, Case EIA=1210, Case Metric=3225, Dielectric=X7R, Rated Voltage=25V, Supplier Part Number 1=445-180363-1-ND, Automotive Qualified=True, Part Number=gen_C_ceramic_22u_25V_X7R_1210, Supplier 1=Digikey
C7112: library part gen_C_ceramic_47p_50V_C0G_0402, "MLCC", Capacitance=47p, Case EIA=0402, Case Metric=1005, Dielectric=C0G, PnP Package=0402C, Rated Voltage=50V, Supplier Part Number 1=490-10670-1-ND, Automotive Qualified=True, Part Number=gen_C_ceramic_47p_50V_C0G_0402, Supplier 1=Digikey
C7120: library part gen_C_ceramic_5n6_50V_C0G_0603, "MLCC", Capacitance=5n6, Case EIA=0603, Case Metric=1608, Dielectric=C0G, PnP Package=0603C, Rated Voltage=50V, Supplier Part Number 1=2210857, Automotive Qualified=True, Part Number=gen_C_ceramic_5n6_50V_C0G_0603, Supplier 1=Farnell
C7200: library part gen_C_ceramic_8n2_50V_C0G_0603, "MLCC", Capacitance=8n2, Case EIA=0603, Case Metric=1608, Dielectric=C0G, PnP Package=0603C, Rated Voltage=50V, Supplier Part Number 1=445-8114-1-ND, Automotive Qualified=True, Part Number=gen_C_ceramic_8n2_50V_C0G_0603, Supplier 1=Digikey
C7202: library part gen_C_ceramic_5n1_50V_C0G_0603, "MLCC", Capacitance=5n1, Case EIA=0603, Case Metric=1608, Dielectric=C0G, PnP Package=0603C, Rated Voltage=50V, Supplier Part Number 1=399-20395-1-ND, Automotive Qualified=True, Part Number=gen_C_ceramic_5n1_50V_C0G_0603, Supplier 1=Digikey
C7203: library part gen_C_ceramic_100p_200V_C0G_0402, "MLCC", Capacitance=100p, Case EIA=0402, Case Metric=1005, Dielectric=C0G, PnP Package=0402C, Rated Voltage=200V, Supplier Part Number 1=2426878, Tolerance=5%, Automotive Qualified=True, Part Number=gen_C_ceramic_100p_200V_C0G_0402, Supplier 1=Farnell, Supplier 2=Digikey, Supplier 3="RS Components", Supplier Part Number 2=399-11551-1-ND, Supplier Part Number 3=8353949
C7205_1 C7205_2: library part EEE-TG2A330P, "SMD Electrolytic Capacitor", Capacitance=33µF, Operating Temperature="-40°C to 125°C", Rated Voltage=100V, Supplier Part Number 1=PCE4126CT-ND, Tolerance=+-20%, Automotive Qualified=True, ComponentLink1Description=Datasheet, ComponentLink1URL=https://industrial.panasonic.com/cdbs/www-data/pdf/RDE0000/ABA0000C1187.pdf, Diameter=10mm, Heigth=10.5mm, Part Number=EEE-TG2A330P, Supplier 1=Digikey
C7217_1 C7217_2 C7225_1 C7225_2: library part gen_C_ceramic_47n_100V_X7R_0603, "MLCC", Capacitance=47n, Case EIA=0603, Case Metric=1608, Dielectric=X7R, PnP Package=0603C, Rated Voltage=100V, Supplier Part Number 1=2478249, Automotive Qualified=True, Part Number=gen_C_ceramic_47n_100V_X7R_0603, Supplier 1=Farnell, Supplier 2=Farnell, Supplier 3=Farnell, Supplier Part Number 2=2708699, Supplier Part Number 3=2905110
C7219_1 C7219_2 C7236_1 C7236_2 C7237_1 C7237_2: library part gen_C_ceramic_1n_100V_X7R_0402, "MLCC", Capacitance=1n, Case EIA=0402, Case Metric=1005, Dielectric=X7R, PnP Package=0402C, Rated Voltage=100V, Supplier Part Number 1=490-4764-1-ND, Automotive Qualified=True, Part Number=gen_C_ceramic_1n_100V_X7R_0402, Supplier 1=Digikey
C7304_1 C7304_2: library part gen_C_ceramic_4u7_100V_X7S_1210, "MLCC", Capacitance=4u7, Case EIA=1210, Case Metric=3225, Dielectric=X7S, PnP Package=1210C, Rated Voltage=100V, Supplier Part Number 1=2211140, Automotive Qualified=True, Part Number=gen_C_ceramic_4u7_100V_X7S_1210, Supplier 1=Farnell, Supplier 2=Farnell, Supplier Part Number 2=2464634
D1102_1 D1102_2: "CAN ESD Protection Diode Array", Manufacturer=Littelfuse, Operating Temperature="-40°C - +125°C", Supplier Part Number 1=F6707CT-ND, Automotive Qualified=True, ComponentLink1Description=Datasheet, ComponentLink1URL=https://www.littelfuse.com/~/media/electronics/datasheets/tvs_diode_arrays/littelfuse_tvs_diode_array_sm24canb_datasheet.pdf.pdf, Part Name=SM24CANB-02HTG, Part Number=SM24CANB-02HTG, Supplier 1=Digikey
D1200 D1201 D5000 D6601 D7000 D7001 D7002 D7003 D7005 D7200_1 D7200_2: library part LED_0603_pure_green_AECQ, "TLMP1100-GS08", Breakdown Voltage=5V, Continuous Forward Current=20mA, Forward Voltage @ 20mA=2.1V, Manufacturer=Vishay, Operating Temperature="-40°C - 100°C", PnP Package=LED_0603, Supplier Part Number 1=1328306, Automotive Qualified=True, Color="pure green", ComponentLink1Description=Datasheet, ComponentLink1URL=http://www.farnell.com/datasheets/2049164.pdf, Part Number=LED_0603_pure_green_AECQ, Supplier 1=Farnell, Supplier 2=Digikey, Supplier Part Number 2=751-1176-1-ND
D4200_1 D4200_2 D4200_3 D4200_4 D4200_5 D4200_6 D4200_7 D4200_8 D6400 D6401 D7202_1 D7202_2: "Zener Diode", Breakdown Voltage=4.7V, Manufacturer="ON Semiconductor", Operating Temperature="-55°C - +150°C", PnP Package=SOD123, Supplier Part Number 1=SZMMSZ4688T1GOSCT-ND, Automotive Qualified=True, ComponentLink1Description=Datasheet, ComponentLink1URL=https://www.onsemi.com/pub/Collateral/MMSZ4678T1-D.PDF, Part Name=SZMMSZ4688T1G, Part Number=SZMMSZ4688T1G, Supplier 1=Digikey, Supplier 2=Farnell, Supplier 3=Mouser, Supplier Part Number 2=2774579, Supplier Part Number 3=863-SZMMSZ4688T1G
D4400 D4401 D7004 D7006 D7303_1 D7303_2 D7305_1 D7305_2 D8000: "Diode", Breakdown Voltage=100V, Continuous Forward Current=300mA, Manufacturer="Diodes Inc.", Operating Temperature="-65°C - +150°C", PnP Package=SOD123, Supplier Part Number 1=1N4148WQ-7-FDICT-ND, Automotive Qualified=True, ComponentLink1Description=Datasheet, ComponentLink1URL=https://www.diodes.com/assets/Datasheets/ds30086.pdf, Part Name=1N4148WQ-7-F, Part Number=1N4148WQ-7-F, Supplier 1=Digikey
D4500_1 D4500_2 D4501_1 D4501_2 D4502_1 D4502_2 D4503_1 D4503_2: "TVS-Diode DO-214AC (SMA)", Breakdown Voltage=60V, Manufacturer=Bourns, Operating Temperature="-55°C - +150°C", Supplier Part Number 1=652-SMA6J60A-Q, AEC-Q Grade="Grade 0", AEC-Q Norm=AEC-Q101, Automotive Qualified=True, ComponentLink1Description=Datasheet, ComponentLink1URL=https://www.mouser.de/datasheet/2/54/sma6j_q-1919913.pdf, ECCN=EAR99, Part Name=SMA6J60A-Q, Part Number=SMA6J60A-Q, Supplier 1=Mouser
D7100 D7101 D7102 D7203_1 D7203_2: "Schottky Diode", Breakdown Voltage=100V, Continuous Forward Current=1A, Manufacturer="Diodes Inc.", Operating Temperature="−55°C - +175°C", PnP Package=POWERDI123, Supplier Part Number 1=621-DFLS1-100Q-7, Automotive Qualified=True, ComponentLink1Description=Datasheet, ComponentLink1URL=https://www.diodes.com/assets/Datasheets/ds30497.pdf, Part Name=DFLS1100Q-7, Part Number=DFLS1100Q-7, Supplier 1=Mouser, Supplier 2=Digikey, Supplier 3=Farnell, Supplier Part Number 2=DFLS1100Q-7DICT-ND, Supplier Part Number 3=3127293
D7201_1 D7201_2: "Schottky Diode", Breakdown Voltage=30V, Continuous Forward Current=1A, Manufacturer="Diodes Inc.", Operating Temperature="−40°C - +125°C", Supplier Part Number 1=DFLS130LQ-7DICT-ND, Automotive Qualified=True, ComponentLink1Description=Datasheet, ComponentLink1URL=https://www.diodes.com/assets/Datasheets/DFLS130LQ.pdf, Part Name=DFLS130LQ-7, Part Number=DFLS130LQ-7, Supplier 1=Digikey
D7306_1 D7306_2: "Zener Diode", Breakdown Voltage=8.2V, Manufacturer="ON Semiconductor", Operating Temperature="-55°C - +150°C", PnP Package=SOD123, Supplier Part Number 1=SZMMSZ5237BT1GOSCT-ND, Automotive Qualified=True, ComponentLink1Description=Datasheet, ComponentLink1URL=https://www.onsemi.com/pub/Collateral/MMSZ4678T1-D.PDF, Part Name=SZMMSZ5237BT1G, Part Number=SZMMSZ5237BT1G, Supplier 1=Digikey, Supplier 2=Mouser, Supplier Part Number 2=863-SZMMSZ5237BT1G
D7307_1 D7307_2: "Zener Diode", Breakdown Voltage=47V, Manufacturer="ON Semiconductor", Operating Temperature="-55°C - +150°C", PnP Package=SOD123, Supplier Part Number 1=SZMMSZ5261BT1GOSCT-ND, Automotive Qualified=True, ComponentLink1Description=Datasheet, ComponentLink1URL=https://www.mouser.de/datasheet/2/308/MMSZ5221BT1-D-85810.pdf, Part Name=SZMMSZ5261BT1G, Part Number=SZMMSZ5261BT1G, Supplier 1=Digikey, Supplier 2=Mouser, Supplier Part Number 2=863-SZMMSZ5261BT1G
D8001: "TVS diode array", Breakdown Voltage=70V, Manufacturer="ON Semiconductor", Operating Temperature="-55°C - +150°C", Supplier Part Number 1=863-SZNUP2301MW6T1G, AEC-Q Grade="Grade 0", AEC-Q Norm=AEC-Q101, Automotive Qualified=True, ComponentLink1Description=Datasheet, ComponentLink1URL=https://www.mouser.de/datasheet/2/308/1/NUP2301MW6T1_D-2319422.pdf, ECCN=EAR99, Part Name=SZNUP2301MW6T1G, Part Number=SZNUP2301MW6T1G, Supplier 1=Mouser
FB5000 FB5001 FB5002: library part gen_Ferrite_600R_0402, "Ferrite Bead", Manufacturer=TDK, Operating Temperature="-55°C - +125°C", Saturation Current=200mA, Supplier Part Number 1=445-172776-1-ND, Automotive Qualified=True, Inductance=600Ω, Part Number=gen_Ferrite_600R_0402, Supplier 1=Digikey, Supplier 2=Mouser, Supplier Part Number 2=810-MMZ1005B601CTD25
J2000 J2002 J2003 J2004 J2006 J2007 J2008 J2010 J2021 J2024 J2034: "Micro-Fit 3.0 Right Angle Header, 3.00mm Pitch, Dual Row, 4 Circuits, with Snap-in Plastic Peg PCB Lock, Tin, Glow Wire Capable, Black, 43045-0400", Manufacturer=Molex, Operating Temperature="-40°C - +105°C", Part Name=MicroFit, Rated Current=8.5A, Rated Voltage=600V, Supplier Part Number 1=9733019, Automotive Qualified=False, Circuits=4, ECCN=EAR99, Part Number=molex_microfit_3_02x2_THT, Supplier 1=Farnell
J2001: "Modular Jack WR-MJ, Tab Up", Contact Resistance="30 mOhm", Manufacturer=Würth, Operating Temperature="−40 °C - +85 °C", Rated Current="1.5 A", Rated Voltage="120V AC", Supplier Part Number 1=710-615008137421, Withstanding Voltage="1000 VAC", Working Voltage="125 VAC", Automotive Qualified=False, Circuits=12, Compliance="Lead free / RoHS", ComponentLink1Description=Datasheet, ComponentLink1URL=https://www.we-online.com/katalog/datasheet/615008137421.pdf, ComponentLink2Description=Datasheet, ComponentLink2URL=https://katalog.we-online.de/em/datasheet/615008185121.pdf, ECCN=EAR99, Entrance=Horizontal, Mounting Technology=THT, Packaging=Tray, Part Name=WE_615008137421, Part Number=WE_615008137421, Pin Number=8P8C, Port=1x1, Published Date="July 2018", Publisher="Wurth Elektronik", Supplier 1=Mouser, Supplier 3="Wuerth Electronics", Supplier Part Number 3=615008137421
J2009: "Micro-Fit 3.0 Right Angle Header, 3.00mm Pitch, Dual Row, 8 Circuits, with Snap-in Plastic Peg PCB Lock, Tin, Glow Wire Capable, Black, 43045-0800", Manufacturer=Molex, Operating Temperature="-40°C - +105°C", Part Name=MicroFit, Rated Current=8.5A, Rated Voltage=600V, Supplier Part Number 1=1012254, Automotive Qualified=False, Circuits=8, ECCN=EAR99, Part Number=molex_microfit_3_04x2_THT, Supplier 1=Farnell
J2013: "Micro-Fit 3.0 Right Angle Header, 3.00mm Pitch, Dual Row, 6 Circuits, with Snap-in Plastic Peg PCB Lock, Tin, Glow Wire Capable, Black, 43045-0600", Manufacturer=Molex, Operating Temperature="-40°C - +105°C", Part Name=MicroFit, Rated Current=8.5A, Rated Voltage=600V, Supplier Part Number 1=1012252, Automotive Qualified=False, Circuits=6, ECCN=EAR99, Part Number=molex_microfit_3_03x2_THT, Supplier 1=Farnell
J2033: "Micro-Fit 3.0 Right Angle Header, 3.00mm Pitch, Dual Row, 2 Circuits, with Snap-in Plastic Peg PCB Lock, Tin, Glow Wire Capable, Black, 43045-0200", Manufacturer=Molex, Operating Temperature="-40°C - +105°C", Part Name=MicroFit, Rated Current=8.5A, Rated Voltage=600V, Supplier Part Number 1=1012251, Automotive Qualified=False, Circuits=2, ECCN=EAR99, Part Number=molex_microfit_3_01x2_THT, Supplier 1=Farnell
J3000 J3001: "Board-To-Board Connector, 6pin, 1.27mm", Manufacturer=Samtec, Operating Temperature="-55°C - +125°C", Part Name=FTSH-103-01-L-DV, Rated Current=3.4A, Supplier Part Number 1=2415840, Automotive Qualified=False, Circuits=6, ComponentLink1Description=Datasheet, ComponentLink1URL=http://www.farnell.com/datasheets/1992056.pdf, Part Number=samtec_FTSH-103-01-L-DV, Supplier 1=Farnell, Supplier 2=Mouser, Supplier 3=Digikey, Supplier Part Number 2=200-FTSH10301LDVTR, Supplier Part Number 3=SAM13920CT-ND